# Altium PCB fMAX_MB.PcbDoc (part 6 of 13)
Units mil, origin at the board's own origin, x right, y up, seen from the top; angles counter-clockwise.
Board outline 9175 x 6300 mil, 14 copper layers (TopLayer, Gnd1, MidLayer1, Power1, MidLayer4, Power2, MidLayer2, Power3, MidLayer3, Gnd3, MidLayer6, Gnd2, MidLayer5, BottomLayer); 679 components, 896 nets, 4133 pads, 2341 vias.
Unrouted connection lines stored in the file: 4.
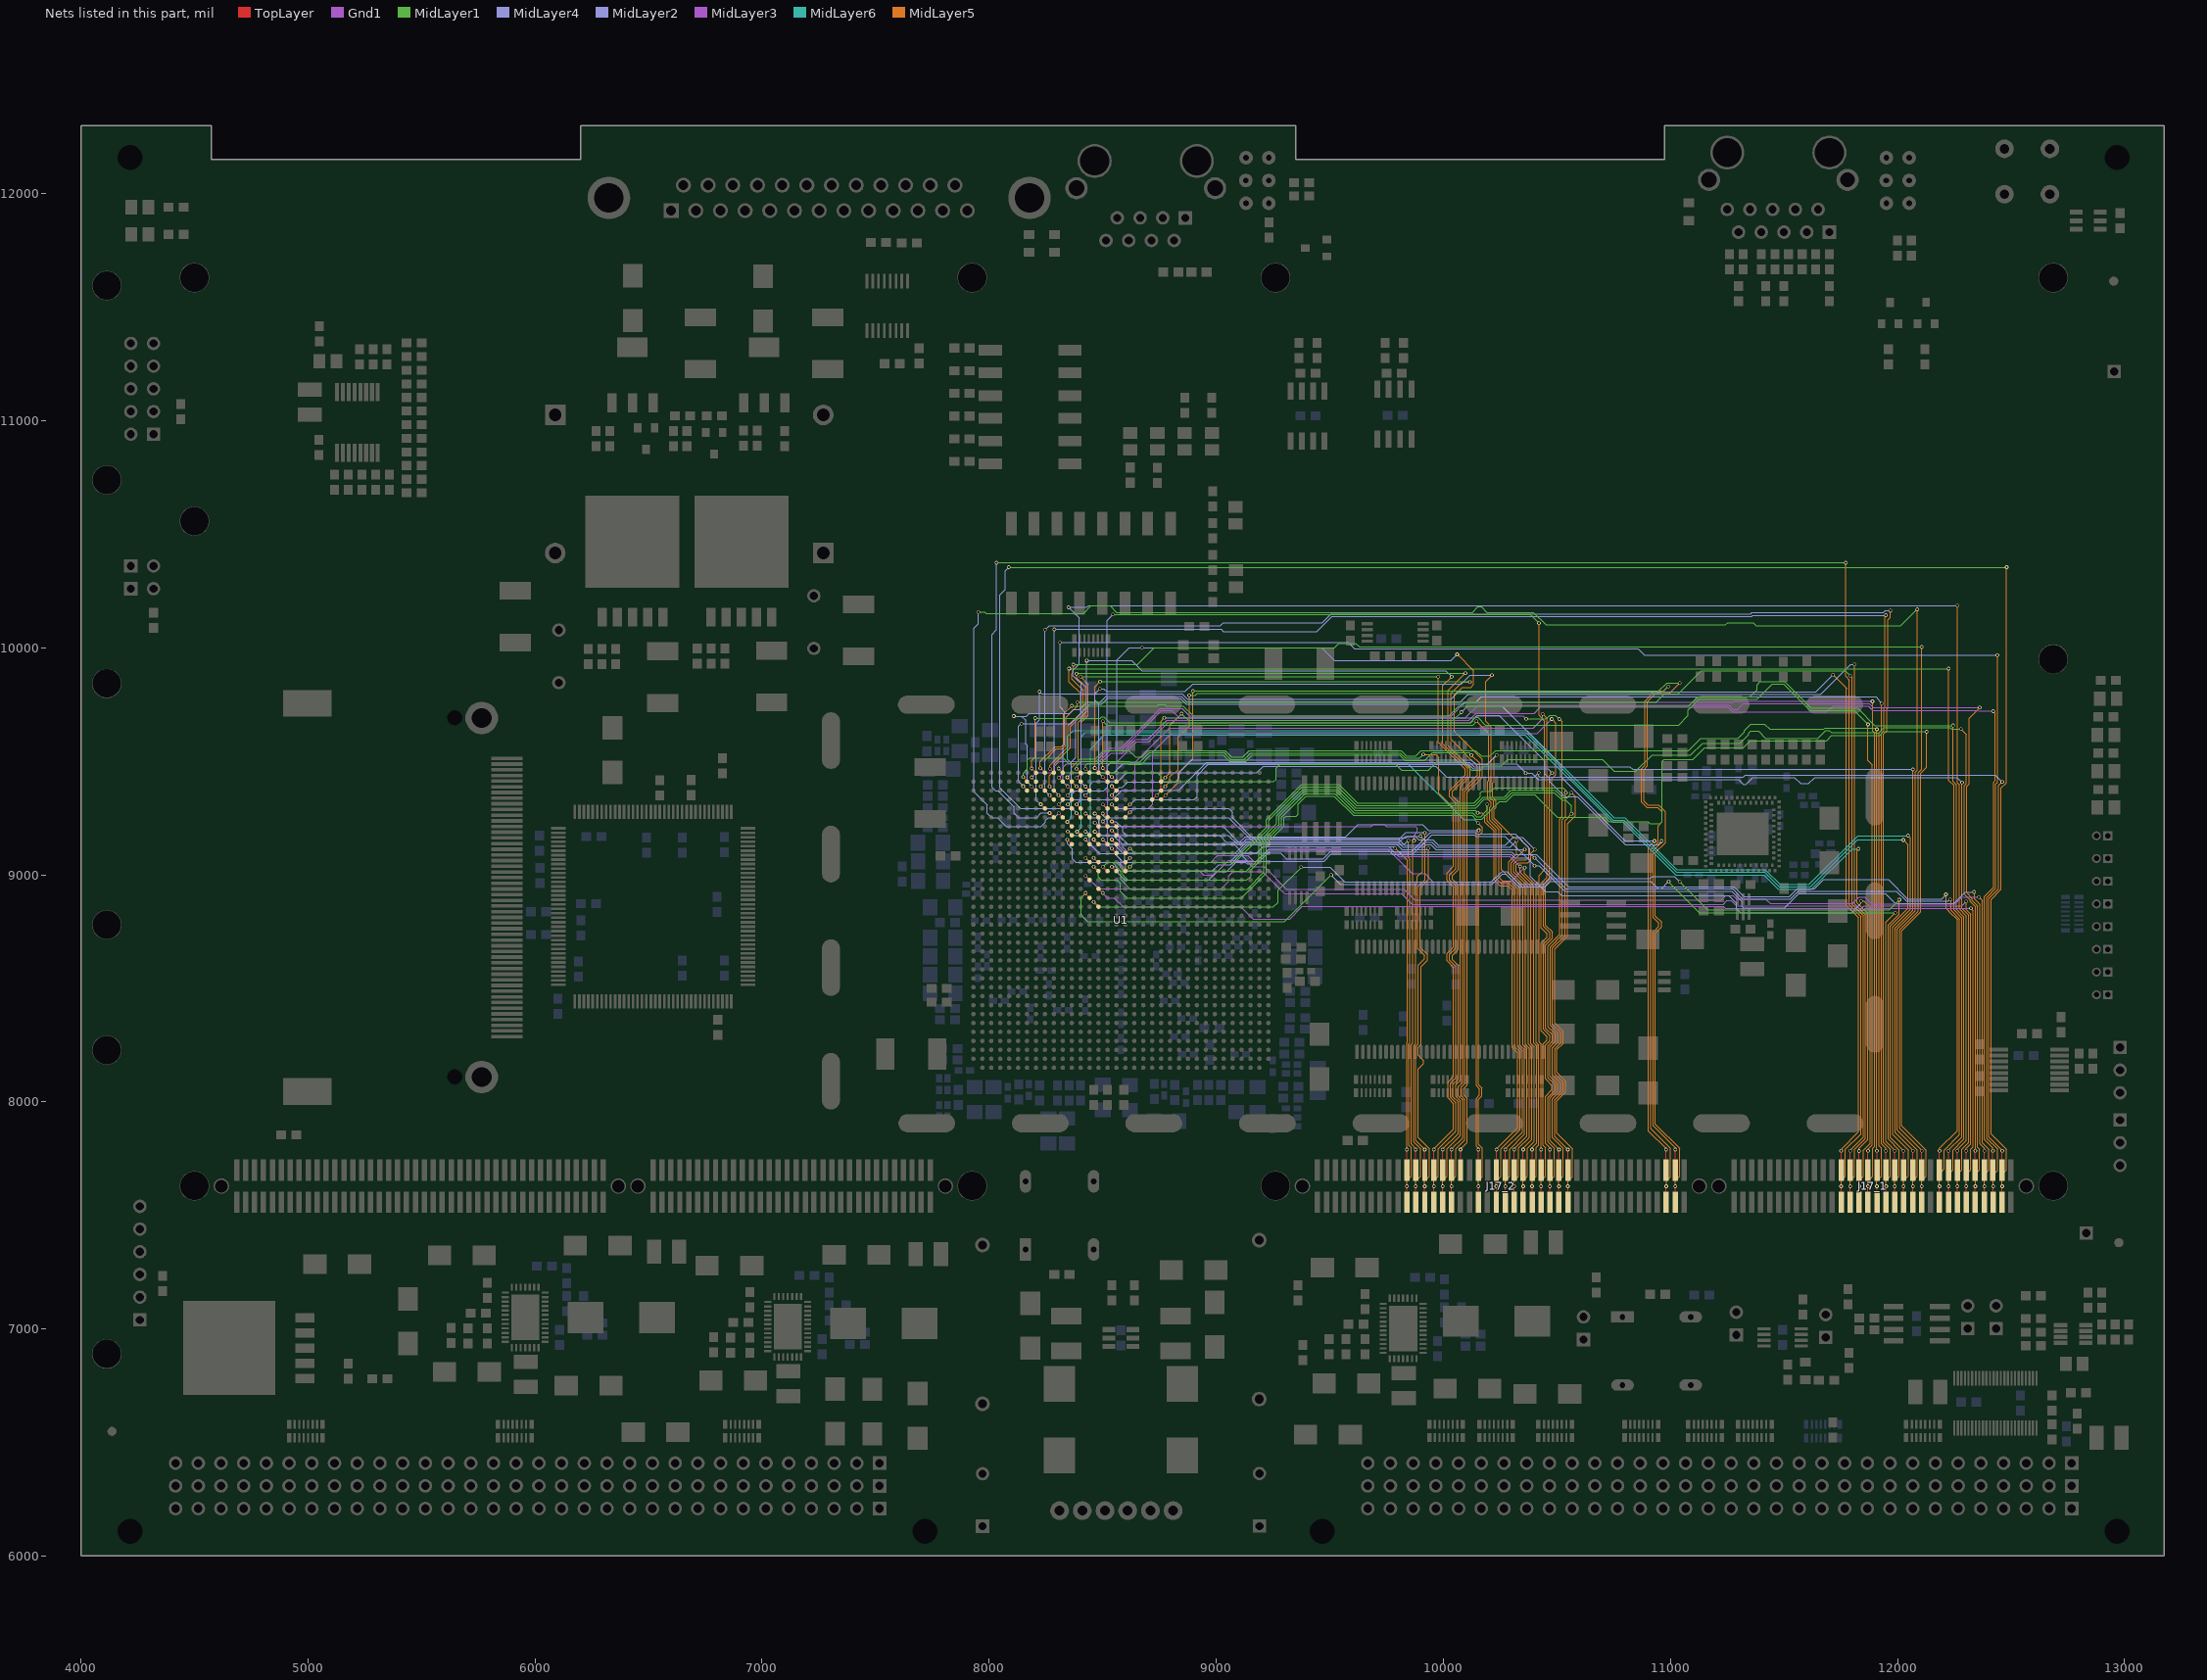
[diagram p18: the nets of this part, all layers, seen from the top]

## Via types
v1: diameter 16, hole 10, TopLayer to BottomLayer, tented both sides, 2192 vias
v2: diameter 36, hole 20, TopLayer to BottomLayer, tented both sides, 84 vias
v3: diameter 20, hole 10, TopLayer to BottomLayer, tented both sides, 61 vias
v4: diameter 160, hole 125, TopLayer to BottomLayer, tented both sides, 4 vias

## Nets (pads, with @x,y where several pads share a name; then routed paths per layer and width w, separated by ;. In a path a pad name is that pad's centre, name@x,y a point inside that pad or via, vN(x,y) a via of type N, cw(c..) or ccw(c..) an arc to the next point about the centre after c; other vN are vias at no path point) (continued)
M2_COMB1_DATA3: J17_2.52 U1.AA4 | length 4740
  TopLayer w5: v1(8424,9350) 8442.2,9331.8 U1.AA4@8442.2,9331.5 ; J17_2.52@10075.75,7700 v1@10075.75,7789.25
  MidLayer2 w5: v1(8424,9350) 8445,9371 8505,9371 8521,9387 8521,9399 8532,9410 8552,9410 8563,9421 8563,9946 8617,10000 v1(8673,10000)
  MidLayer5 w5: v1(10061,9971) 10132.87,9899.13 10132.87,9837.6 10121.06,9825.79 10082.68,9825.79 10049.21,9792.32 10049.21,9629.92 10170.79,9508.35 10170.79,9428.66 10105,9362.87 10105,8073.5 10090.55,8059.06 10090.55,8030.77 10105,8016.32 10105,7821.54 10076,7792.54 v1(10076,7790)
  MidLayer4 w5: v1(8673,10000) 9464,10000 9520,9944 10034,9944 v1(10061,9971)
M2_COMB1_DATA4: J17_2.53 U1.AA1 | length 3859.3
  TopLayer w5: v1(8425,9467) 8442.2,9449.8 U1.AA1@8442.2,9449.61 ; J17_2.53@10036.38,7558.27 v1@10036.38,7626.62
  MidLayer1 w5: v1(8425,9467) 8425,9482 8433,9490 8611.42,9490 8614.42,9487 8670,9487 8710.39,9527.39 9030.76,9527.39 9059.15,9499 9129,9499 9157,9527 9806.29,9527 9830.11,9503.18 9916.56,9503.18 9950.78,9537.39 10113.61,9537.39 v1(10123,9528)
  MidLayer5 w5: v1(10036,7628) 10036,7653 10056,7673 10056,7793.52 10095,7832.52 10095,8012.18 10078.74,8028.44 10078.74,8064.29 10095,8080.55 10095,9367.95 10160.79,9433.74 10160.79,9490.21 v1(10123,9528)
M2_COMB1_DATA5: J17_2.54 U1.Y1 | length 4363.1
  TopLayer w5: v1(8465,9470) 8481.57,9453.43 U1.Y1@8481.57,9449.61 ; J17_2.54@10036.38,7700 v1@10036.38,7789.62
  MidLayer1 w5: v1(8488,9851) v1@10117,9850
  MidLayer5 w5: v1(8465,9470) 8465,9828 v1(8488,9851) ; v1@10036.38,7789.62 10036.38,7792.28 10085,7840.91 10085,8008.04 10066.93,8026.11 10066.93,8066.93 10085,8085 10085,9372.4 10150.79,9438.19 10150.79,9478.15 10033.46,9595.47 10033.46,9799.21 10083.25,9849 v1(10117,9849) v1@10117,9847
  other v1: 10036,7790
M2_COMB1_DATA6: J17_2.55 U1.AB3 | length 4753.8
  TopLayer w5: v1(8385,9389) 8402.83,9371.17 U1.AB3@8402.83,9370.87 ; J17_2.55@9997.01,7558.27 v1(9997,7628)
  MidLayer1 w5: v1(8385,9885) 8388,9888 v1(10097,9888)
  MidLayer5 w5: v1(8385,9389) 8363,9411 8363,9471 8393,9501 8393,9672.79 8425.2,9704.98 8425.2,9826.8 8385,9867 v1(8385,9885) ; v1(9997,7628) 9997,7652 10017,7672 10017,7794.2 10075,7852.2 10075,8003.9 10055.12,8023.78 10055.12,8074.8 10075,8094.69 10075,9389.24 10118.11,9432.35 10118.11,9472.44 10021.65,9568.9 10021.65,9812.65 v1(10097,9888)
M2_COMB1_DATA7: J17_2.56 U1.AA3 | length 4594.3
  TopLayer w5: v1(8425,9388) 8442.13,9370.87 U1.AA3@8442.2,9370.87 ; J17_2.56@9997.01,7700 v1(9997,7790)
  MidLayer2 w5: v1(8425,9388) 8406,9407 8406,9694.39 8430,9718.39 v1(8430,9943)
  MidLayer5 w5: v1(9997,7790) 9997.01,7792.28 10065,7860.28 10065,7999.75 10043.31,8021.45 10043.31,8078.74 10065,8100.43 10065,8600.35 10039.37,8625.98 10039.37,8645.67 10065,8671.3 10065,8954.69 10039.37,8980.32 10039.37,8996.06 10065,9021.69 10065,9320.83 10039.37,9346.46 10039.37,9367.75 10107.28,9435.66 10107.28,9468.5 9998.03,9577.76 9998.03,9833.03 v1(10037,9872)
  MidLayer4 w5: v1(8430,9943) 8627,9943 8672,9898 10011,9898 v1(10037,9872)
M2_COMB1_DATA8: J17_2.57 U1.AB2 | length 4586.5
  TopLayer w5: v1@8385,9428 U1.AB2@8402.83,9410.24 U1.AB2@8402.83,9410.24 ; J17_2.57@9957.64,7558.27 v1@9957.64,7627.36
  MidLayer1 w5: v1(8403,9872) v1(9978,9872)
  MidLayer5 w5: v1(8385.4,9427.6) 8385.6,9427.6 8385.6,9427.92 8405.51,9447.83 8405.51,9671.16 8436.02,9701.67 8436.02,9838.98 v1(8403,9872) ; v1(9958,7628) 9958,7653 9977,7672 9977,7793.89 10055,7871.89 10055,7995.61 10031.5,8019.11 10031.5,8082.68 10055,8106.18 10055,8596.21 10027.56,8623.65 10027.56,8649.61 10055,8677.05 10055,8950.54 10027.56,8977.98 10027.56,9000 10055,9027.44 10055,9316.68 10027.56,9344.13 10027.56,9370.08 10096.46,9438.98 10096.46,9464.57 9978,9583.02 v1(9978,9872)
M2_COMB1_DATA9: J17_2.58 U1.AB1 | length 3652.2
  TopLayer w5: v1(8385,9467) 8402.39,9449.61 U1.AB1@8402.83,9449.61 ; J17_2.58@9957.64,7700 v1@9957.64,7789.64
  MidLayer1 w5: v1(8385,9467) 8385,9479 8406,9500 8615.56,9500 8618.56,9497 8665,9497 8705.39,9537.39 9034.9,9537.39 9063.29,9509 9124,9509 9152,9537 9810.43,9537 9833.95,9513.48 9896.48,9513.48 v1(9912,9529)
  MidLayer5 w5: v1(9912,9529) 9967.06,9529 9980.32,9515.75 9980.32,9358.27 10045,9293.58 10045,9037.13 10015.75,9007.87 10015.75,8975.65 10045,8946.4 10045,8682.8 10015.75,8653.54 10015.75,8621.32 10045,8592.07 10045,8111.93 10019.68,8086.61 10019.68,8016.78 10045,7991.47 10045,7879.65 9957.64,7792.28 v1@9957.64,7789.64
  other v1: 9958,7790
M2_COMB1_DATA10: J17_2.59 U1.AA6 | length 3285.7
  TopLayer w5: v1(8425,9270) U1.AA6@8442.2,9252.76 ; J17_2.59@9918.27,7558.27 v1@9918.27,7627.73
  MidLayer2 w5: v1(8425,9270) 8426.85,9270 8444.88,9251.97 8472.44,9251.97 8484.25,9240.16 8484.25,9185.04 8496.06,9173.23 9053.15,9173.23 9092.52,9133.86 9795.28,9133.86 9817.76,9111.38 9928.31,9111.38 v1(9934.06,9117.13)
  MidLayer5 w5: v1(9918,7628) 9918,7653 9938,7673 9938,7794.28 9889,7843.28 9889,8144.91 9913.39,8169.29 9913.39,8181.1 9889,8205.49 9889,8239.55 9901.57,8252.12 9901.57,8596.3 9929.13,8623.86 9929.13,8649.61 9897.95,8680.79 9897.95,8943.85 9934.06,8979.95 v1(9934.06,9117.13)
M2_COMB1_DATA11: J17_2.60 U1.Y6 | length 3128.6
  TopLayer w5: v1(8465,9270) 8481.57,9253.43 U1.Y6@8481.57,9252.76 ; J17_2.60@9918.27,7700 v1@9918.27,7790.73
  MidLayer5 w5: v1@9918.27,7790.73 9917.93,7790.73 9879,7829.66 9879,8243.69 9889.76,8254.45 9889.76,8602.36 9917.32,8629.92 9917.32,8645.67 9887.95,8675.04 9887.95,8947.99 9918.31,8978.35 v1(9918.31,9184.06)
  MidLayer4 w5: v1(8465,9270) 8483,9252 8483,9223.69 8494.09,9212.6 8555.12,9212.6 8567.91,9199.8 8567.91,9176.18 8610.24,9133.86 9108.79,9133.86 9131.42,9156.5 9805.74,9156.5 9836.25,9187.01 9915.35,9187.01 v1(9918.31,9184.06)
  other v1: 9918,7790
M2_COMB1_DATA12: J17_2.61 U1.Y8 | length 3186.4
  TopLayer w5: v1(8465,9190) 8480.98,9174.02 U1.Y8@8481.57,9174.02 ; J17_2.61@9878.9,7558.27 v1@9878.9,7627.9
  MidLayer5 w5: v1@9878.9,7627.9 9878.9,7652.9 9899,7673 9899,7793.91 9869,7823.91 9869,8247.83 9877.95,8256.79 9877.95,8956.69 9885.83,8964.57 9885.83,8992.13 9908.31,9014.61 9908.31,9161.57 v1(9899.61,9170.28)
  MidLayer4 w5: v1(8465,9190) 8481,9174 ; 8481.57,9174.02 8545.47,9174.02 8587.6,9131.89 8587.6,9121.06 8613.19,9095.47 9084.54,9095.47 9133.75,9144.68 9808.07,9144.68 9833.66,9170.28 v1(9899.61,9170.28)
  other v1: 9879,7628
M2_COMB1_DATA13: J17_2.62 U1.Y7 | length 2985.1
  TopLayer w5: v1(8465,9230) U1.Y7@8481.57,9213.39 ; J17_2.62@9878.9,7700 v1@9878.9,7789.1
  Gnd1 w5: v1@8466.85,9230 8484.25,9212.6 9682.09,9212.6 9692.91,9223.43 9737.2,9223.43 9748.03,9212.6 9877.95,9212.6 9885.83,9204.72 9885.83,9188.98 9871.06,9174.21 v1(9871.06,9150.59)
  MidLayer5 w5: v1(9871.06,9150.59) 9866.14,9145.67 9866.14,8259.12 9859,8251.98 9859,7814.23 9879,7794.23 v1(9879,7790)
M2_COMB1_DATA14: J17_2.63 U1.Y9 | length 3117.9
  TopLayer w5: v1(8460,9155) 8480.35,9134.65 U1.Y9@8481.57,9134.65 ; J17_2.63@9840,7558.27 v1(9840,7628)
  MidLayer5 w5: v1(9840,7628) 9840,7653 9859,7672 9859,7798.48 9849,7808.48 9849,8256.12 9852.52,8259.64 9852.52,9068.74 9845.47,9075.79 v1(9845.47,9151.57)
  MidLayer4 w5: v1@8460,9154.17 8480.32,9133.86 ; 8481.57,9134.65 8550.39,9134.65 8597.44,9087.6 8597.44,9065.94 8608.27,9055.12 9058.33,9055.12 9137.07,9133.86 9827.76,9133.86 v1(9845.47,9151.57)
M2_COMB1_DATA15: J17_2.64 U1.W9 | length 2799.9
  TopLayer w5: v1(8500,9155) 8520.35,9134.65 U1.W9@8520.94,9134.65 ; J17_2.64@9839.53,7700 v1@9839.53,7789.53
  MidLayer2 w5: v1@8500,9154.53 v1(8500,9155) 8502.48,9155 8500.98,9153.79 8523.62,9133.86 9078.38,9133.86 9115.78,9096.46 9179.13,9096.46 9206.54,9123.86 9782.64,9123.86 v1(9788.39,9118.11)
  MidLayer5 w5: v1(9788.39,9118.11) 9842.52,9063.98 9842.52,8263.78 9839,8260.26 v1(9839,7790)
M2_COMB1_S0: J17_2.47 U1.W7 | length 3741.7
  TopLayer w5: v1(8500,9235) 8520.94,9214.06 U1.W7@8520.94,9213.39 ; J17_2.47@10154.49,7558.27 v1@10154.49,7627.51
  MidLayer5 w5: v1(10152.56,9227.36) 10171.26,9208.66 10171.26,9188.98 10155,9172.72 10155,8076.3 10170.28,8061.02 10170.28,8026.99 10155,8011.72 10155,7812.52 10172.24,7795.28 10172.24,7671.26 10154.49,7653.5 v1@10154.49,7627.51
  MidLayer6 w5: v1@8501.97,9235.24 8501.97,9237.2 8520.67,9255.91 8520.67,9481.3 8532.48,9493.11 9838.58,9493.11 10089.72,9241.97 10137.95,9241.97 v1(10152.56,9227.36)
  other v1: 10154,7628
M2_COMB1_S1: J17_2.48 U1.V7 | length 3252.8
  TopLayer w5: v1(8540,9235) 8560.32,9214.68 U1.V7@8560.32,9213.39 ; J17_2.48@10154.49,7700 v1@10154.49,7789.51
  MidLayer5 w5: v1(10155,7790) 10155,7794.8 10145,7804.8 10145,8015.86 10159.45,8030.31 10159.45,8057.09 10145,8071.54 10145,9185.35 v1(10155.51,9195.87)
  MidLayer4 w5: v1(8540,9235) 8559.29,9235 8587.6,9206.69 8587.6,9187.99 8602.36,9173.23 9014.76,9173.23 9044.13,9143.86 9104.64,9143.86 9128.11,9167.32 9569.88,9167.32 9624.02,9221.46 9908.46,9221.46 9934.06,9195.87 v1(10155.51,9195.87)
M2_COMB2_DATA0: J17_2.29 U1.U10 | length 4099.6
  TopLayer w5: U1.U10@8599.69,9095.28 8600.28,9095.28 v1(8620,9115) ; J17_2.29@10508.82,7558.27 v1@10508.82,7627.82
  MidLayer1 w5: v1(8620,9115) 8620.24,9115 8640.75,9094.49 9107.28,9094.49 9221.46,9208.66 9221.46,9243.63 9374.83,9397 9539.65,9397 9620.7,9315.94 10134.84,9315.94 10163.39,9344.49 10163.39,9361.22 10170.75,9368.59 10211.11,9368.59 10224.76,9382.24 10528.19,9382.24 10539.37,9371.06 v1(10539.37,9361.22)
  MidLayer5 w5: v1@10508.82,7627.82 10508.82,7652.82 10528,7672 10528,7794.83 10480.08,7842.76 10480.08,8012.45 10515.75,8048.12 10515.75,8082.68 10480.08,8118.35 10480.08,8238.47 10503.94,8262.33 10503.94,8303.15 10471,8336.09 10471,8682.15 10523.62,8734.77 10523.62,9242.13 10539.37,9257.87 v1(10539.37,9361.22)
  other v1: 10509,7628
M2_COMB2_DATA1: J17_2.30 U1.V10 | length 4584.6
  TopLayer w5: v1(8540,9115) 8559.72,9095.28 U1.V10@8560.32,9095.28 ; J17_2.30@10508.82,7700 v1@10508.82,7790.18
  MidLayer1 w5: v1(10365.16,9687.01) 10452.76,9687.01 10468.5,9702.76 10494.09,9702.76 v1(10510.83,9686.02)
  MidLayer3 w5: v1(8540,9115) 8539.53,9115 8521.65,9132.87 8521.65,9480.31 8539.37,9498.03 8562.01,9498.03 8648.62,9584.65 8702.39,9584.65 8787.04,9669.29 10117.13,9669.29 10148.46,9700.63 10351.54,9700.63 v1(10365.16,9687.01)
  MidLayer5 w5: v1@10508.82,7790.18 10508.82,7790.39 10470.08,7829.13 10470.08,8016.6 10503.94,8050.46 10503.94,8078.74 10470.08,8112.6 10470.08,8242.61 10492.13,8264.66 10492.13,8299.21 10461,8330.34 10461,8686.29 10511.81,8737.1 10511.81,9245.08 10523.62,9256.89 10523.62,9673.23 v1(10510.83,9686.02)
  other v1: 10509,7790
M2_COMB2_DATA2: J17_2.31 U1.U6 | length 4437.6
  TopLayer w5: U1.U6@8599.69,9252.76 8599.69,9254.69 v1(8620,9275) ; J17_2.31@10469.45,7558.27 v1@10469.45,7627.55
  MidLayer3 w5: v1(8620,9275) 8637.8,9291.34 8700.79,9291.34 8720.47,9311.02 8720.47,9541.34 8802.17,9623.03 10414.37,9623.03 v1(10477.36,9686.02)
  MidLayer5 w5: v1@10469.45,7627.55 10469.45,7652.45 10489,7672 10489,7794.46 10460.08,7823.39 10460.08,8020.74 10492.13,8052.79 10492.13,8074.8 10460.08,8106.85 10460.08,8246.75 10480.32,8266.99 10480.32,8295.28 10451,8324.59 10451,8690.43 10480.32,8719.75 10480.32,8748.03 10451,8777.35 10451,8954.21 10478.35,8981.56 10478.35,9424.21 10495.08,9440.94 10495.08,9668.31 v1(10477.36,9686.02)
  other v1: 10470,7628
M2_COMB2_DATA3: J17_2.32 U1.U5 | length 3867
  TopLayer w5: U1.U5@8599.69,9292.13 8602.13,9292.13 v1(8620,9310) ; J17_2.32@10469.45,7700 v1@10469.45,7790.55
  MidLayer2 w5: v1(8620,9310) 8622.01,9310 8642.72,9330.71 8901.57,9330.71 8915.35,9344.49 8915.35,9436.79 8964.57,9486 10111.72,9486 10131.72,9466 10461,9466 v1(10479,9448)
  MidLayer5 w5: v1@10469.45,7790.55 10469.45,7798.27 10450.08,7817.64 10450.08,8024.88 10479,8053.8 10479,8072.18 10450.08,8101.1 10450.08,8250.9 10468.5,8269.32 10468.5,8292.28 10441,8319.79 10441,8694.57 10468.5,8722.08 10468.5,8744.09 10441,8771.6 10441,8958.35 10468,8985.35 10468,9437 v1(10479,9448)
  other v1: 10469,7790
M2_COMB2_DATA4: J17_2.33 U1.V3 | length 4375.4
  TopLayer w5: v1(8540,9390) 8559.13,9370.87 U1.V3@8560.32,9370.87 ; J17_2.33@10430.08,7558.27 v1@10430.08,7627.92
  MidLayer3 w5: v1(8540,9390) 8543.07,9390 8562.99,9370.08 8633.86,9370.08 8641.73,9377.95 8641.73,9494.09 8793.31,9645.67 10396.65,9645.67 10437.01,9686.02 v1(10437.01,9708.66)
  MidLayer5 w5: v1(10430,7628) 10430,7653 10450,7673 10450,7798.03 10440.08,7807.95 10440.08,8255.04 10456.69,8271.65 10456.69,8287.4 10431,8313.09 10431,8698.72 10456.69,8724.41 10456.69,8740.16 10431,8765.85 10431,8962.5 10456.69,8988.19 10456.69,9688.98 v1(10437.01,9708.66)
M2_COMB2_DATA5: J17_2.34 U1.V2 | length 5087.3
  TopLayer w5: v1(8540,9430) 8559.76,9410.24 U1.V2@8560.32,9410.24 ; J17_2.34@10430.08,7700 v1@10430.08,7790.92
  MidLayer1 w5: v1(8546,10146) 10383,10146 v1(10421,10108)
  MidLayer2 w5: v1(8540,9430) 8520,9450 8520,10120 v1(8546,10146)
  MidLayer5 w5: v1(10421,10108) 10421,9702.03 10446.69,9676.34 10446.69,9023.46 10421,8997.77 10421,8264 10430.08,8254.92 v1@10430.08,7790.92
  other v1: 10430,7790
M2_COMB2_DATA6: J17_2.35 U1.V9 | length 3558.3
  TopLayer w5: v1(8540,9155) U1.V9@8560.32,9134.65 ; J17_2.35@10390.71,7558.27 v1@10390.71,7627.29
  MidLayer3 w5: v1(8540,9155) 8540,9154.88 8562.01,9132.87 8562.01,9083.66 8590.55,9055.12 8976.38,9055.12 9005.75,9084.49 9137.95,9084.49 9163.39,9059.06 9178.15,9059.06 9232.95,9113.86 9754.87,9113.86 9863.81,9004.92 9918.31,9004.92 9953.74,8969.49 10296.26,8969.49 v1(10358.27,9031.5)
  MidLayer5 w5: v1(10358.27,9031.5) 10358.27,9005.91 10409.45,8954.72 10409.45,8261.41 10420.08,8250.78 10420.08,7809.84 10410,7799.76 10410,7672 10391,7653 v1(10391,7628)
M2_COMB2_DATA7: J17_2.36 U1.V8 | length 3314
  TopLayer w5: v1(8540,9195) 8560.32,9174.68 U1.V8@8560.32,9174.02 ; J17_2.36@10390.71,7700 v1@10390.71,7789.71
  MidLayer3 w5: v1(8540,9195) 8541.22,9195 8573.82,9162.4 8573.82,9124.02 8603.35,9094.49 9175.2,9094.49 9204.57,9123.86 9759.02,9123.86 9802.17,9080.71 10293.31,9080.71 v1(10337.6,9036.42)
  MidLayer5 w5: v1(10337.6,9036.42) 10337.6,9012.4 10397.64,8952.36 10397.64,8259.08 10410.08,8246.64 10410.08,7819.53 10390.71,7800.16 10390.71,7790 v1@10390.71,7789.71
  other v1: 10391,7790
M2_COMB2_DATA8: J17_2.37 U1.V5 | length 3685.4
  TopLayer w5: v1(8540,9310) 8557.87,9292.13 U1.V5@8560.32,9292.13 ; J17_2.37@10351.34,7558.27 v1@10351.34,7627.66
  MidLayer2 w5: v1(8540,9310) 8540,9309 8557,9292 9053.47,9292 9070.87,9274.61 9070.87,9250.52 9157.53,9163.86 9836.02,9163.86 9842.44,9170.28 9875.98,9170.28 9891.73,9154.53 9953.9,9154.53 9977.05,9131.38 10274.09,9131.38 10308.07,9165.35 10348.43,9165.35 v1(10402.56,9111.22)
  MidLayer5 w5: v1@10351.34,7627.66 10351.34,7652.66 10371,7672.32 10371,7796.2 10400.08,7825.27 10400.08,8242.5 10385.83,8256.75 10385.83,8950.03 10320.87,9014.99 10320.87,9043.31 10330.71,9053.15 10373.03,9053.15 10385.83,9065.94 10385.83,9094.49 v1(10402.56,9111.22)
  other v1: 10352,7628
M2_COMB2_DATA9: J17_2.38 U1.V4 | length 3846.9
  TopLayer w5: v1(8540,9350) 8558.5,9331.5 U1.V4@8560.32,9331.5 ; J17_2.38@10351.34,7700 v1@10351.34,7789.66
  MidLayer2 w5: v1(8540,9350) 8574,9384 8585.77,9384 8610.24,9408.46 8819.88,9408.46 8836.61,9425.2 8836.61,9452.76 8890.75,9506.89 10123.03,9506.89 10143.92,9486 10193,9486 v1(10234,9527)
  MidLayer5 w5: v1(10234,9527) 10222.44,9515.44 10222.44,9409.6 10216.54,9403.7 10216.54,9341.69 10230.47,9327.76 10231.3,9327.76 10231.3,9295.53 10223.9,9288.13 10223.9,9248.54 10307.09,9165.35 10329.72,9165.35 10375.83,9119.25 10375.83,9076.61 10364.17,9064.96 10326.77,9064.96 10310.04,9048.23 10310.04,9011.68 10374.02,8947.7 10374.02,8254.42 10390.08,8238.35 10390.08,7834.96 10352,7796.88 v1(10352,7790) ; v1@10351.34,7789.66 v1@10351.34,7790
M2_COMB2_DATA10: J17_2.39 U1.W6 | length 3616.3
  TopLayer w5: v1(8500,9270) 8517.24,9252.76 U1.W6@8520.94,9252.76 ; J17_2.39@10311.97,7558.27 v1(10312,7628)
  MidLayer2 w5: v1(8500,9270) 8500,9261.81 8519.68,9242.13 8519.68,9220.47 8526.57,9213.58 9027.56,9213.58 9097.28,9143.86 9800.04,9143.86 9811.02,9132.87 9822.52,9121.38 9912.72,9121.38 9924.21,9132.87 9944.88,9132.87 9966.38,9111.38 v1@10358.11,9111.38
  MidLayer5 w5: v1(10312,7628) 10311.97,7652.97 10332,7673 10332,7796.57 10377.95,7842.52 10377.95,8236.34 10362.2,8252.08 10362.2,8945.37 10299.21,9008.36 10299.21,9052.17 v1(10358.27,9111.22)
M2_COMB2_DATA11: J17_2.40 U1.W5 | length 3487.3
  TopLayer w5: v1(8500,9310) 8517.87,9292.13 U1.W5@8520.94,9292.13 ; J17_2.40@10311.97,7700 v1(10312,7790)
  MidLayer2 w5: v1(8500,9310) 8520,9290 8520,9264 8532,9252 9055.24,9252 9153.39,9153.86 9805.79,9153.86 9828.27,9131.38 9908.57,9131.38 9920.9,9143.7 9948.82,9143.7 9971.14,9121.38 10294.61,9121.38 v1(10322.83,9149.61)
  MidLayer5 w5: v1(10312,7790) 10311.97,7792.28 10367.95,7848.27 10367.95,8232.19 10350.39,8249.75 10350.39,8943.04 10287.4,9006.03 10287.4,9057.09 10322.83,9092.52 v1(10322.83,9149.61)
M2_COMB2_DATA12: J17_2.41 U1.W2 | length 4652.7
  TopLayer w5: v1(8500,9430) 8501.18,9430 U1.W2@8520.94,9410.24 ; J17_2.41@10272.6,7558.27 v1@10272.6,7627.6
  MidLayer2 w5: v1(8487,9819) 8465,9797 8465,9770 8483,9752 8483,9447 v1(8500,9430)
  MidLayer5 w5: v1(10214,9879) 10186.02,9851.02 10186.02,9676.18 10211.61,9650.59 10211.61,9412.92 10205.71,9407.01 10205.71,9338.38 10220.47,9323.61 10220.47,9298.85 10213.9,9292.28 10213.9,9244.4 10255.91,9202.39 10255.91,9023.38 10338.58,8940.71 10338.58,8247.42 10357.95,8228.05 10357.95,7857.95 10292,7792 10292,7671.8 10272.6,7652.4 v1@10272.6,7627.6
  MidLayer4 w5: v1(8487,9819) 8504.82,9819 8516.69,9807.13 8863.13,9807.13 8897,9841 10079,9841 10117,9879 v1(10214,9879)
  other v1: 10273,7628
M2_COMB2_DATA13: J17_2.42 U1.W1 | length 4015.2
  TopLayer w5: v1@8500.55,9470 U1.W1@8520.94,9449.61 ; J17_2.42@10272.6,7700 v1@10272.6,7789.6
  MidLayer1 w5: v1(8500,9676) 8501.17,9676 8517.17,9660 10130,9660 v1(10146,9676)
  MidLayer5 w5: v1(8500,9470) v1(8500,9676) ; v1@10145.67,9677.17 10200.79,9622.05 10200.79,9416.23 10194.88,9410.33 10194.88,9333.66 10209.65,9318.9 10209.65,9302.17 10203.9,9296.42 10203.9,9240.26 10244.09,9200.06 10244.09,8988.19 10259.84,8972.44 10292.71,8972.44 10326.77,8938.38 10326.77,8245.09 10347.95,8223.91 10347.95,7867.64 10272.6,7792.28 10272.6,7790 v1@10272.6,7789.6
  other v1: 10273,7790
M2_COMB2_DATA14: J17_2.43 U1.V12 | length 3967.1
  TopLayer w5: v1(8540,9035) 8558.46,9016.54 U1.V12@8560.32,9016.54 ; J17_2.43@10233.23,7558.27 v1@10233.23,7627.77
  MidLayer1 w5: v1(8540,9035) 8558.5,9035 8579.41,9014.09 8579.41,8978.66 8621.06,8937.01 9135.83,8937.01 9210.63,9011.81 9210.63,9140.64 9288.39,9218.4 9288.39,9253.99 9391.4,9357 9523.08,9357 9607.44,9272.64 10128.94,9272.64 10145.67,9255.91 10164.37,9255.91 10193.9,9285.43 v1(10193.9,9310.04)
  MidLayer5 w5: v1(10193.9,9310.04) 10193.9,9236.12 10232.73,9197.29 10232.73,8983.81 10254.09,8962.44 10288.56,8962.44 10314.96,8936.04 10314.96,8242.76 10337.95,8219.77 10337.95,7877.32 10253,7792.37 10253,7672 10233,7652 v1(10233,7628)
M2_COMB2_DATA15: J17_2.44 U1.W12 | length 3734.8
  TopLayer w5: v1(8500,9035) 8518.46,9016.54 U1.W12@8520.94,9016.54 ; J17_2.44@10233.23,7700 v1@10233.23,7790
  MidLayer1 w5: v1(8500,9035) 8502.52,9035 8522.64,9055.12 8560.04,9055.12 8589.41,9025.75 8589.41,8998.19 8611.22,8976.38 9134.84,8976.38 9153.54,8995.08 9153.54,9022.28 9198.82,9067.55 9198.82,9142.98 9277.56,9221.72 9277.56,9257.3 9387.26,9367 9527.22,9367 9610.75,9283.46 10140.75,9283.46 v1(10151.57,9272.64)
  MidLayer5 w5: v1(10151.57,9272.64) 10170.28,9272.64 10183.07,9259.84 10183.07,9232.8 10222.44,9193.43 10222.44,8979.33 10249.33,8952.44 10284.42,8952.44 10303.15,8933.71 10303.15,8240.43 10327.95,8215.63 10327.95,7887.01 10233.23,7792.28 v1@10233.23,7790.77
  other v1: 10234,7790
M2_COMB2_S0: J17_2.27 U1.U12 | length 4166.1